# Altium PCB main.PcbDoc (part 1 of 5)
Units mm, origin at the board's own origin, x right, y up, seen from the top; angles counter-clockwise.
Board outline 54 x 86 mm, 8 copper layers (L1, L2, L3, L4, L5, L6, L7, L8), stack 1.624 mm thick; 313 components, 261 nets, 1426 pads, 897 vias.
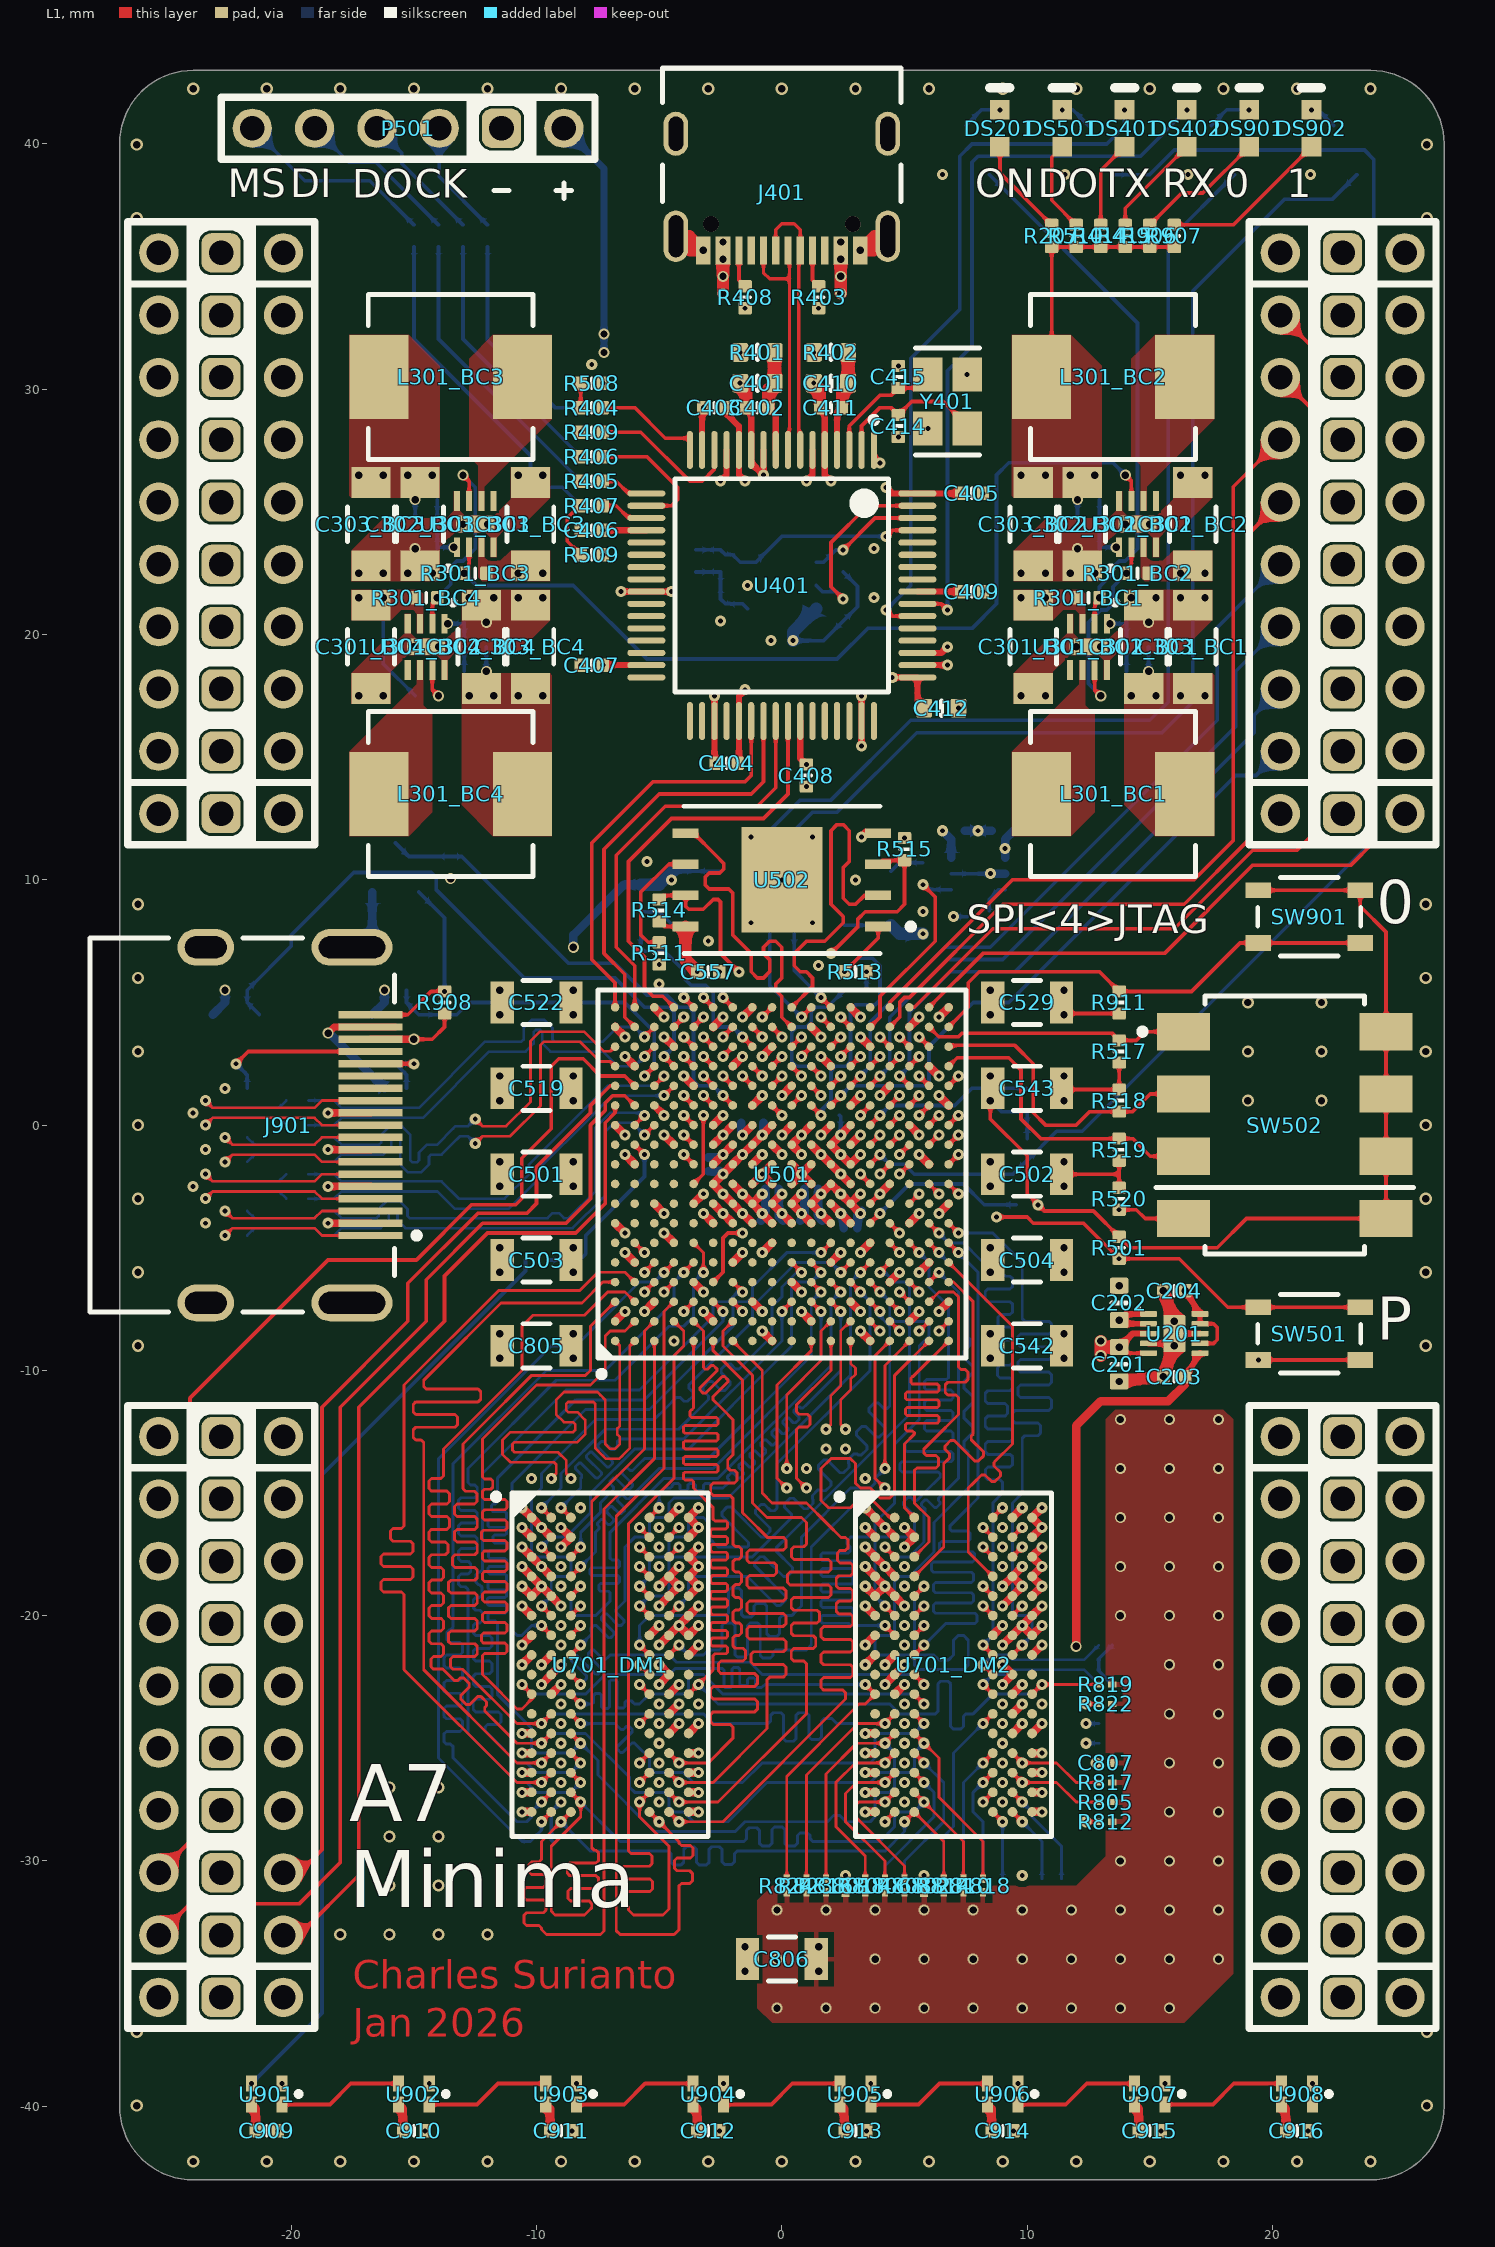
[diagram p0: L1 view]
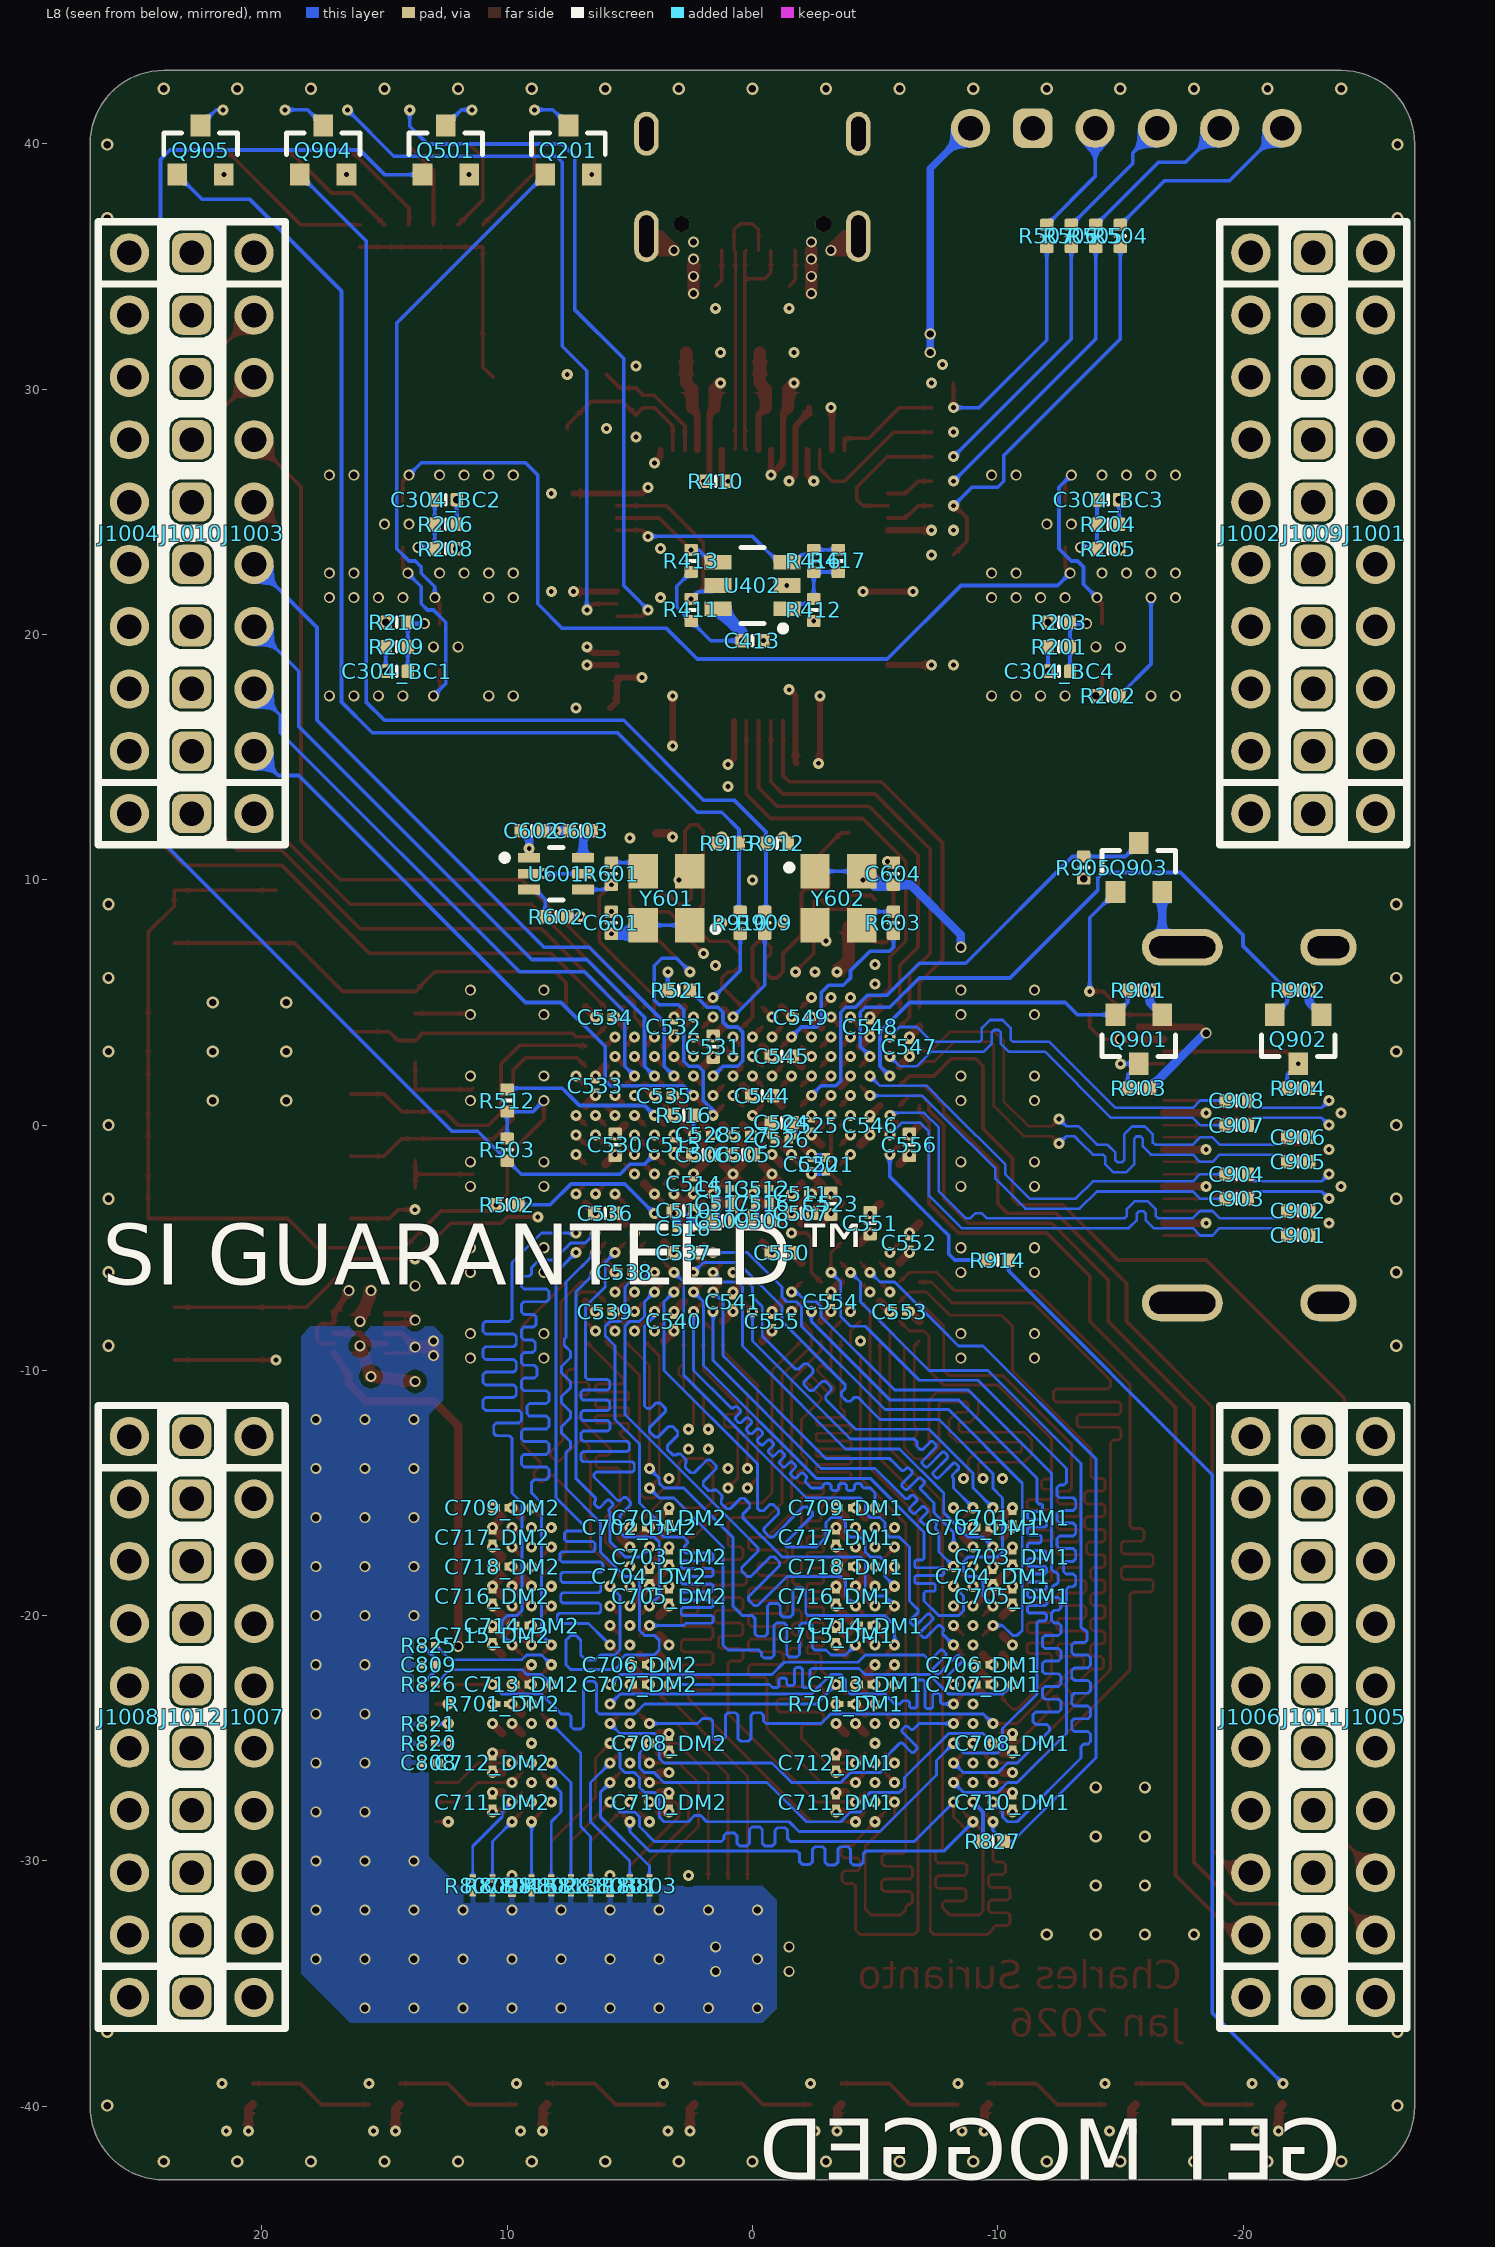
[diagram p1: L8 view, seen from below]
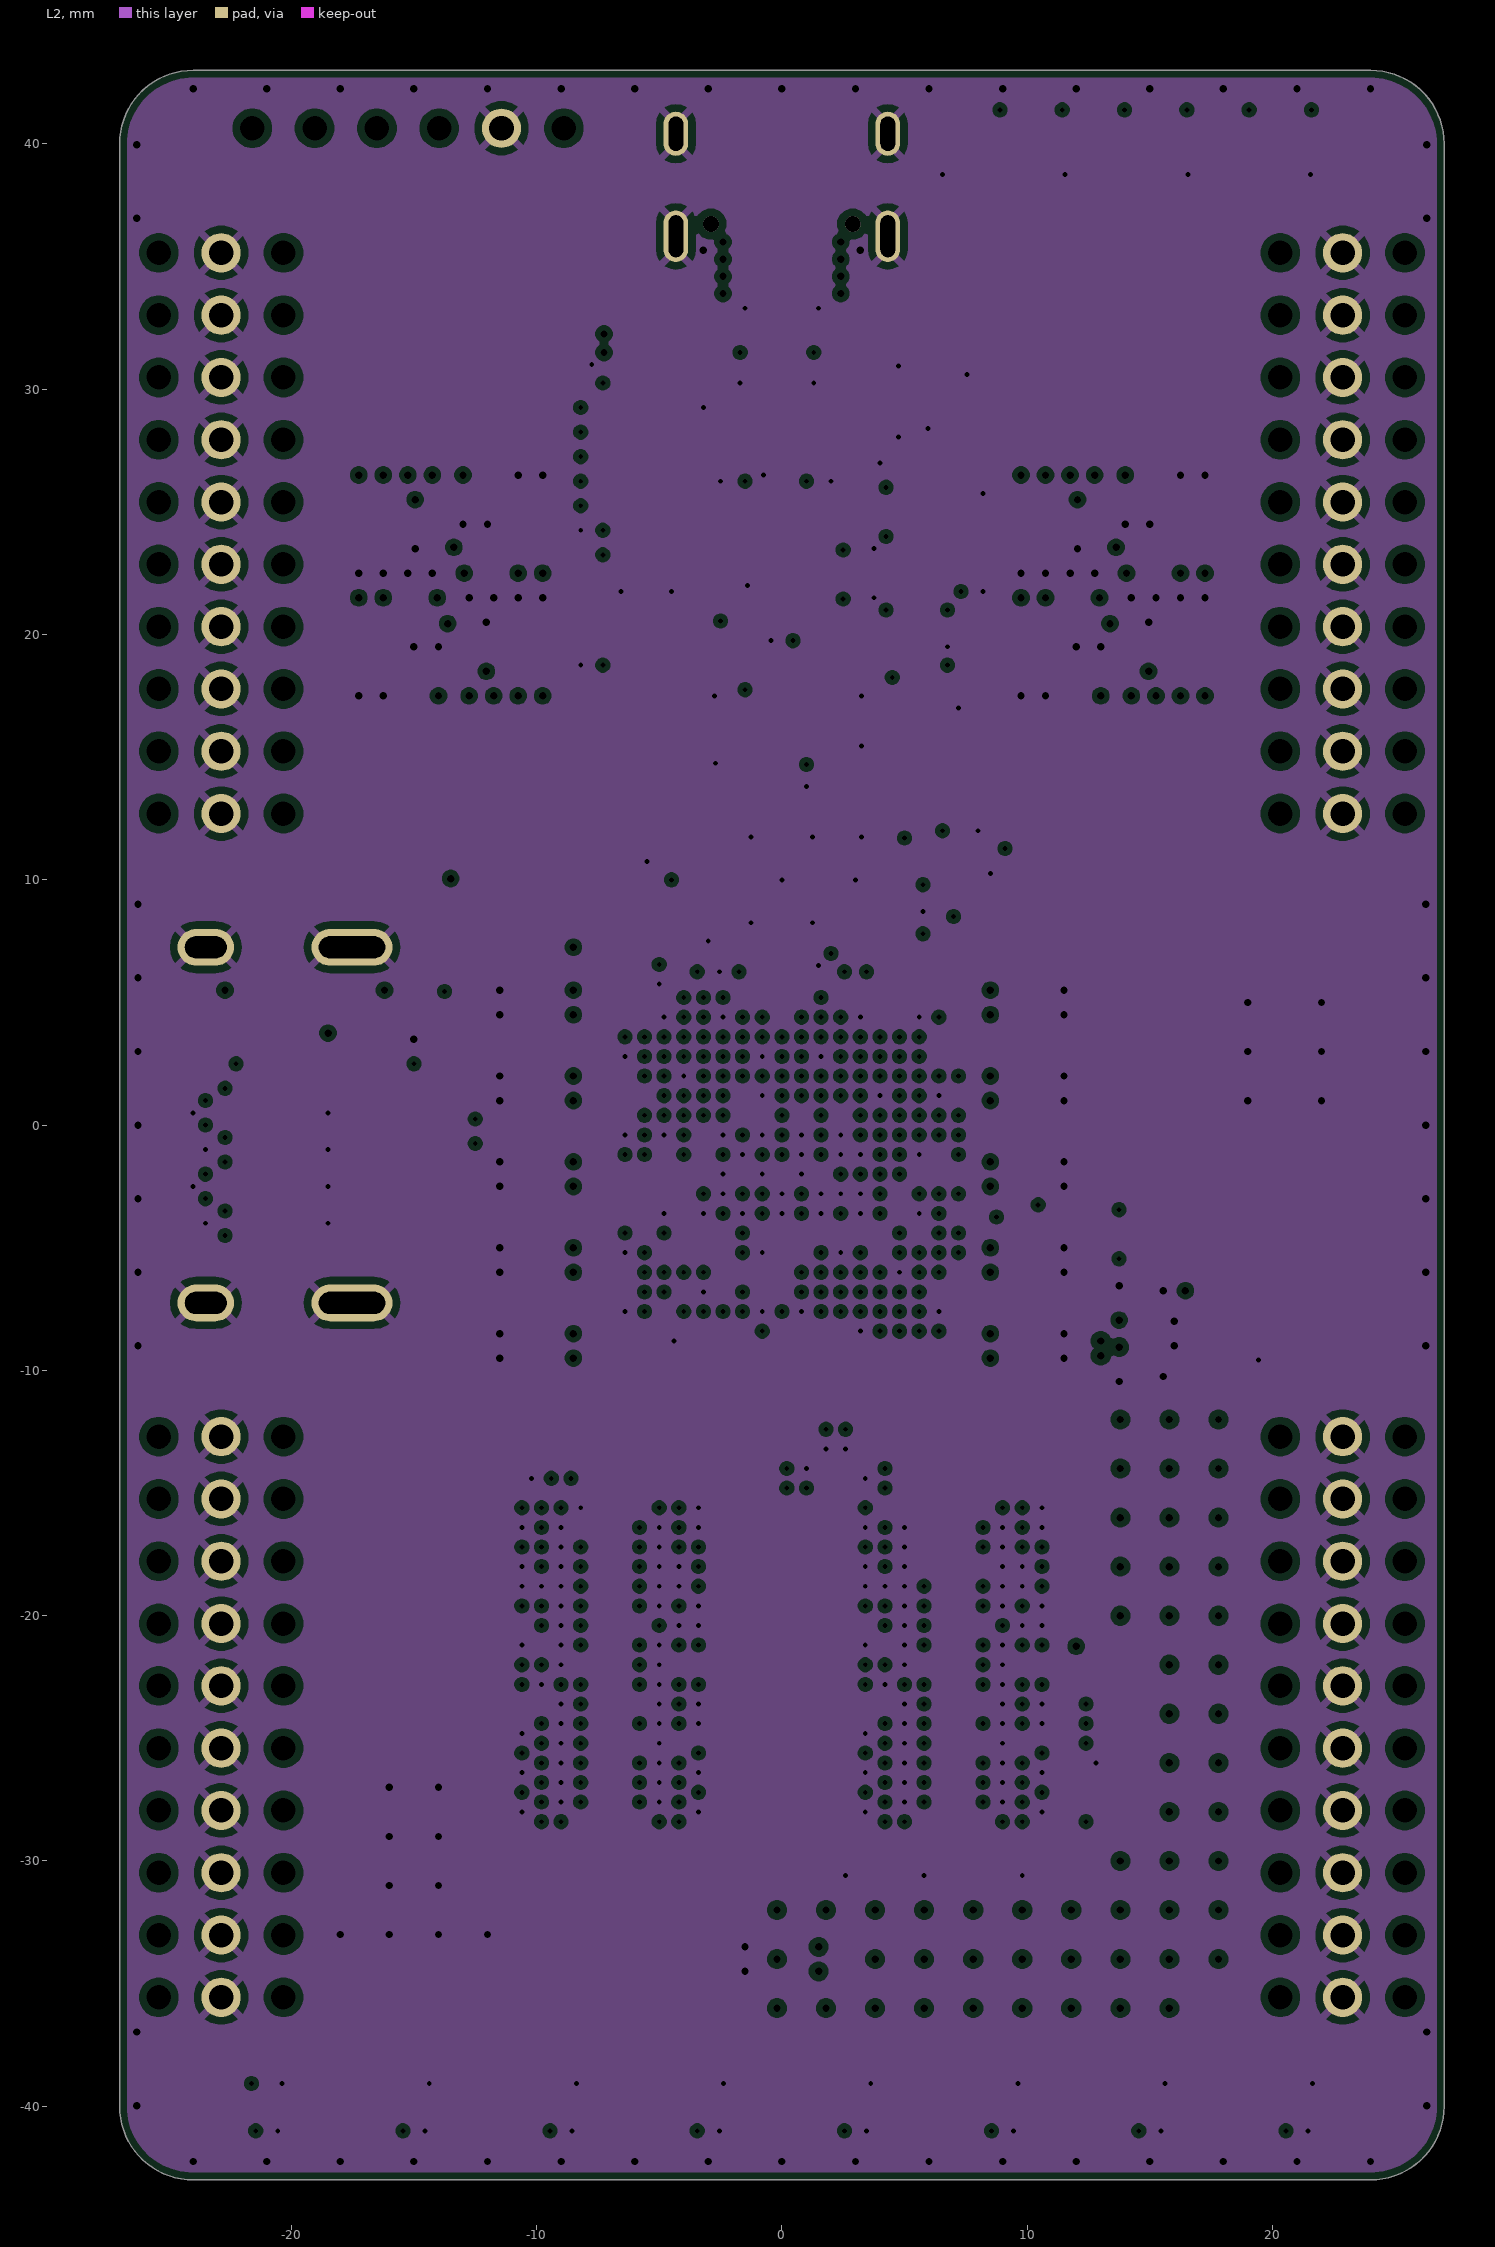
[diagram p2: L2]
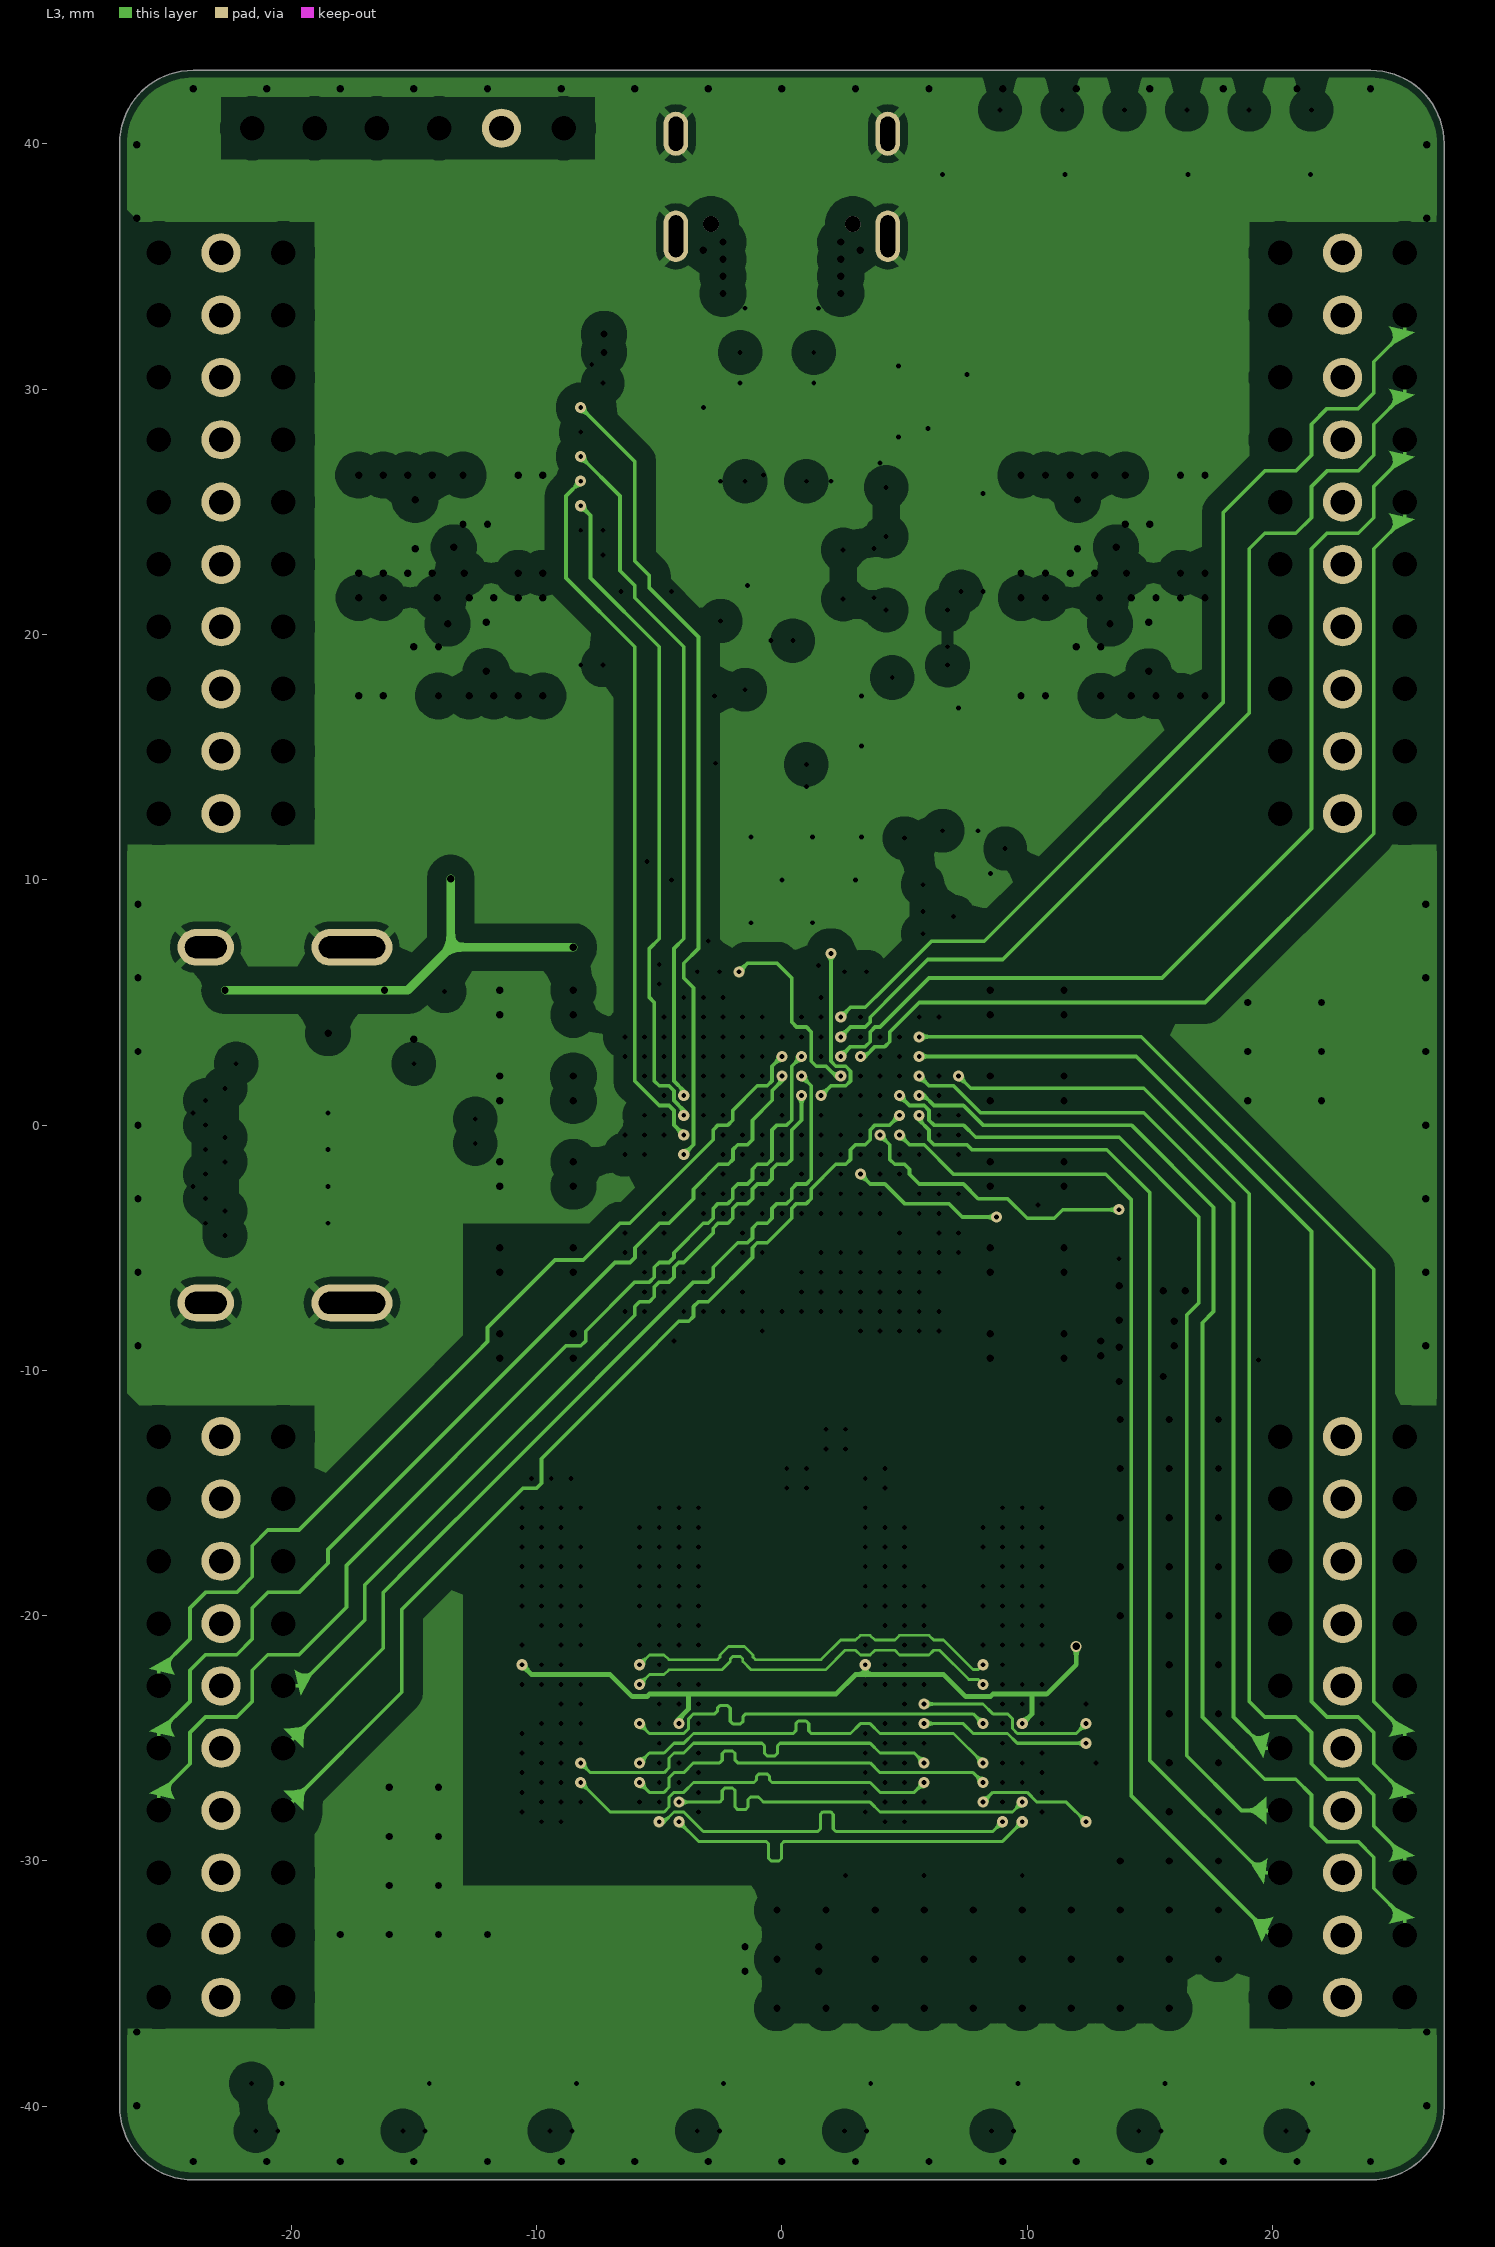
[diagram p3: L3]
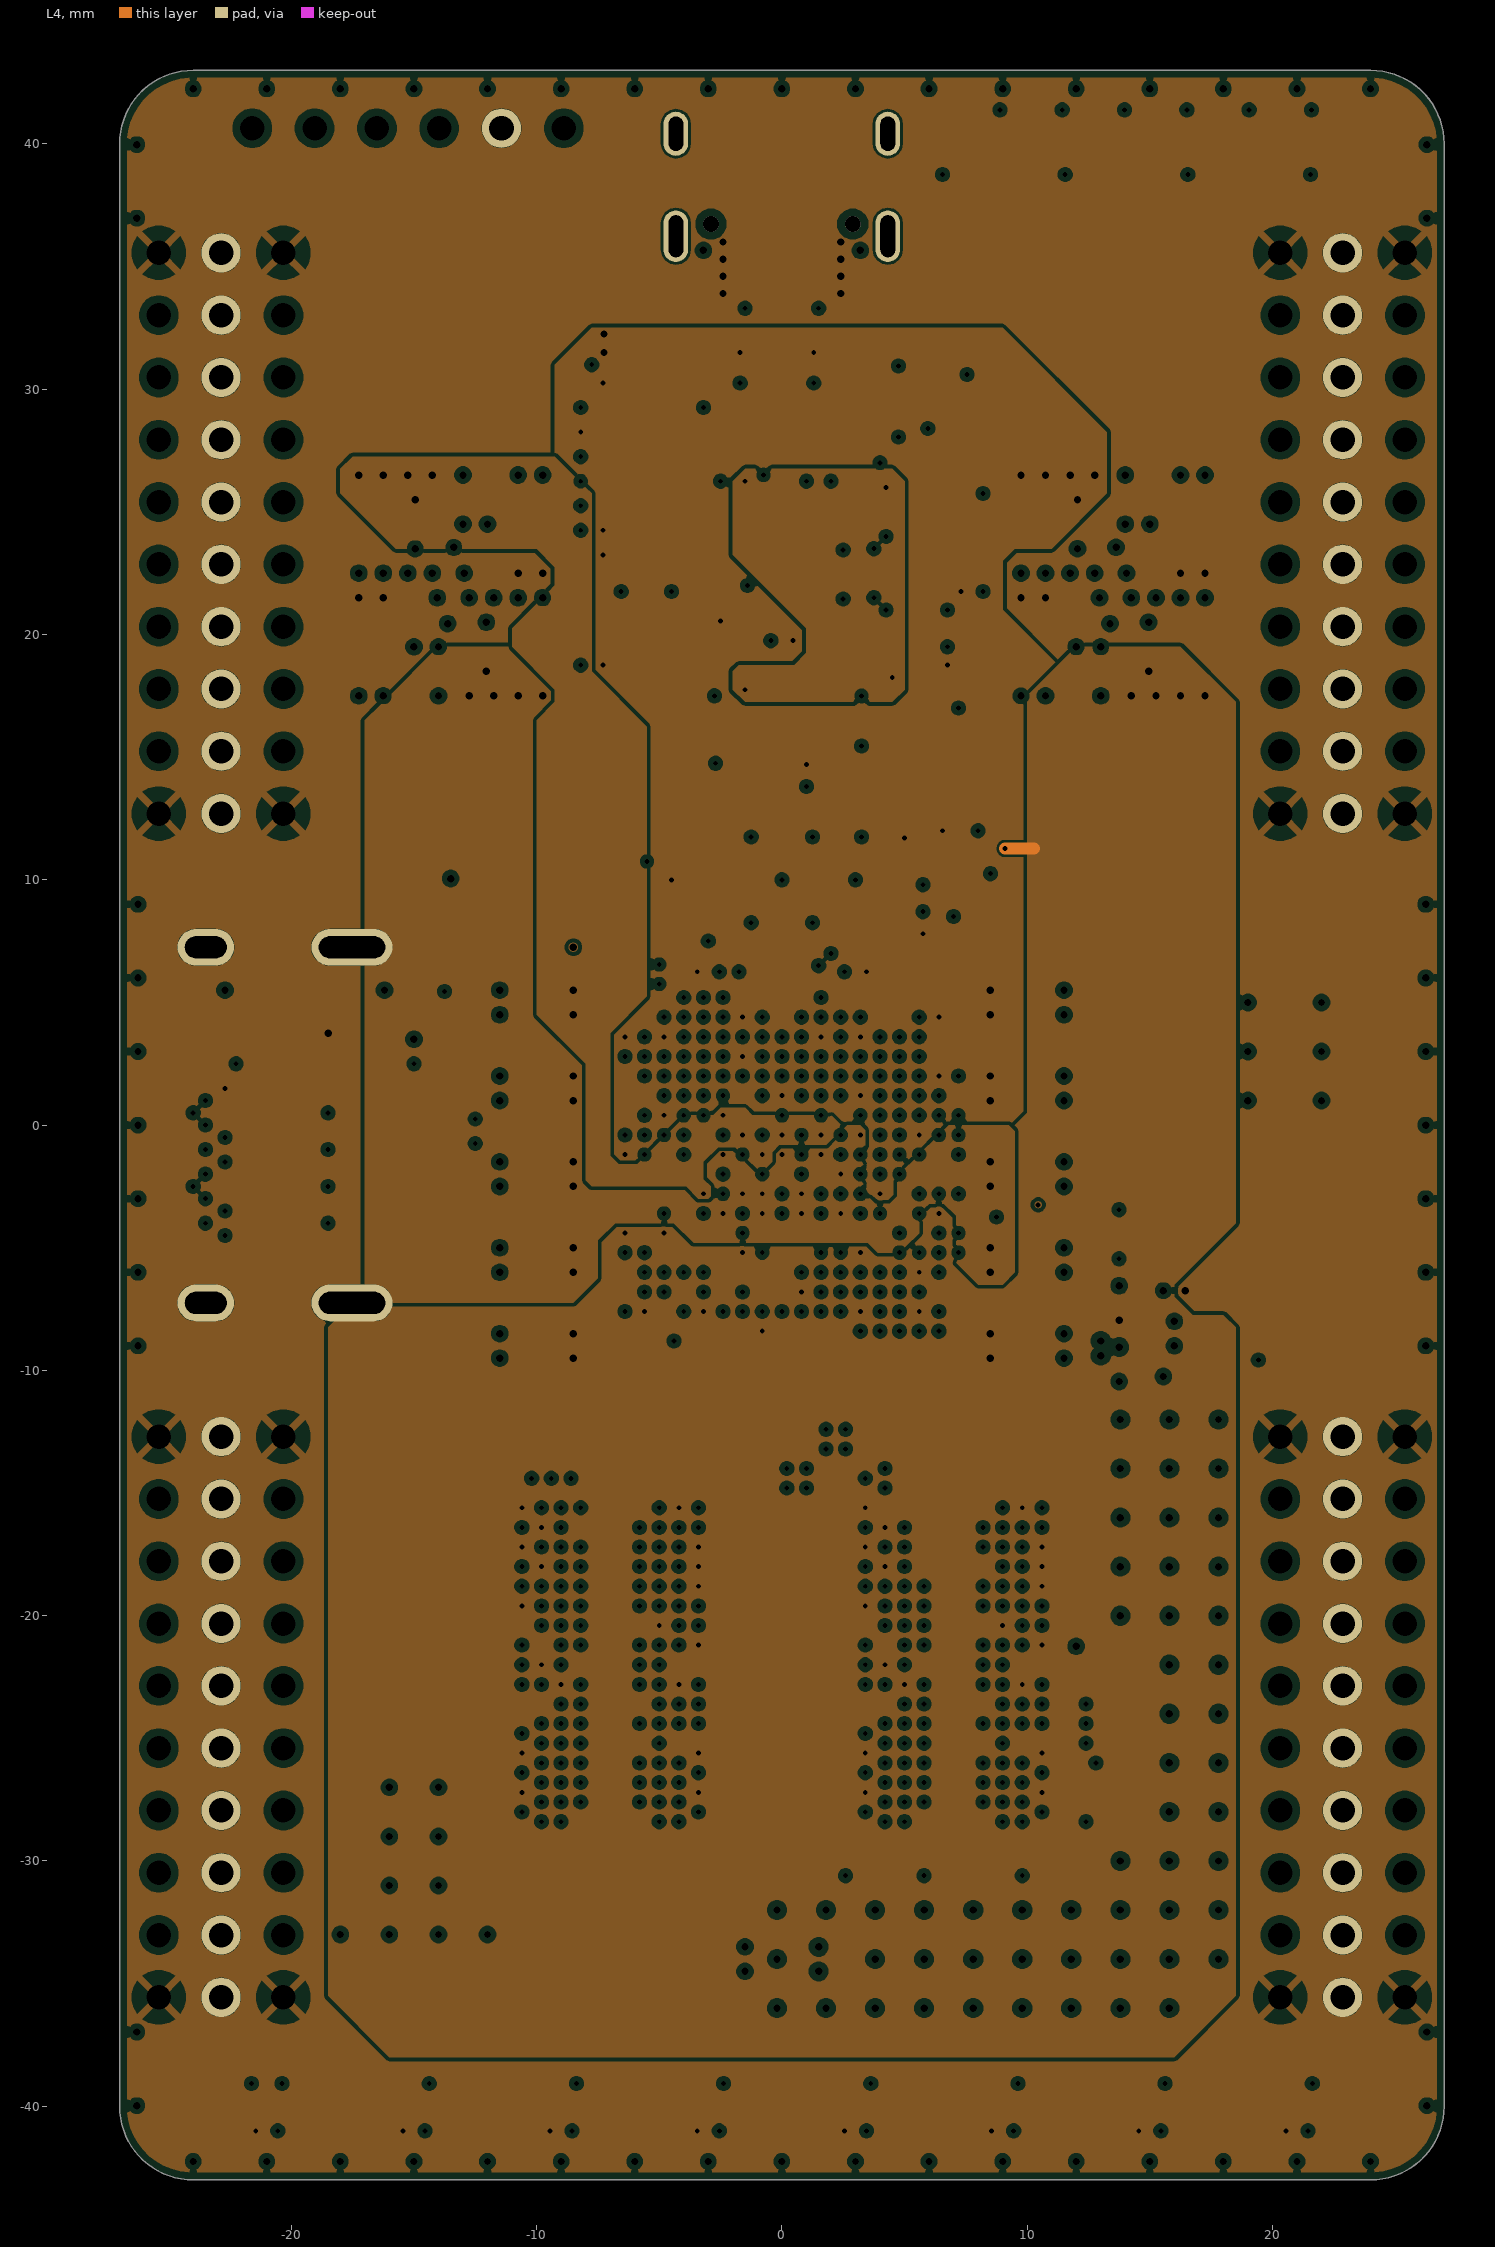
[diagram p4: L4]